# Altium PCB MIRA016-CSP.PcbDoc (continued)
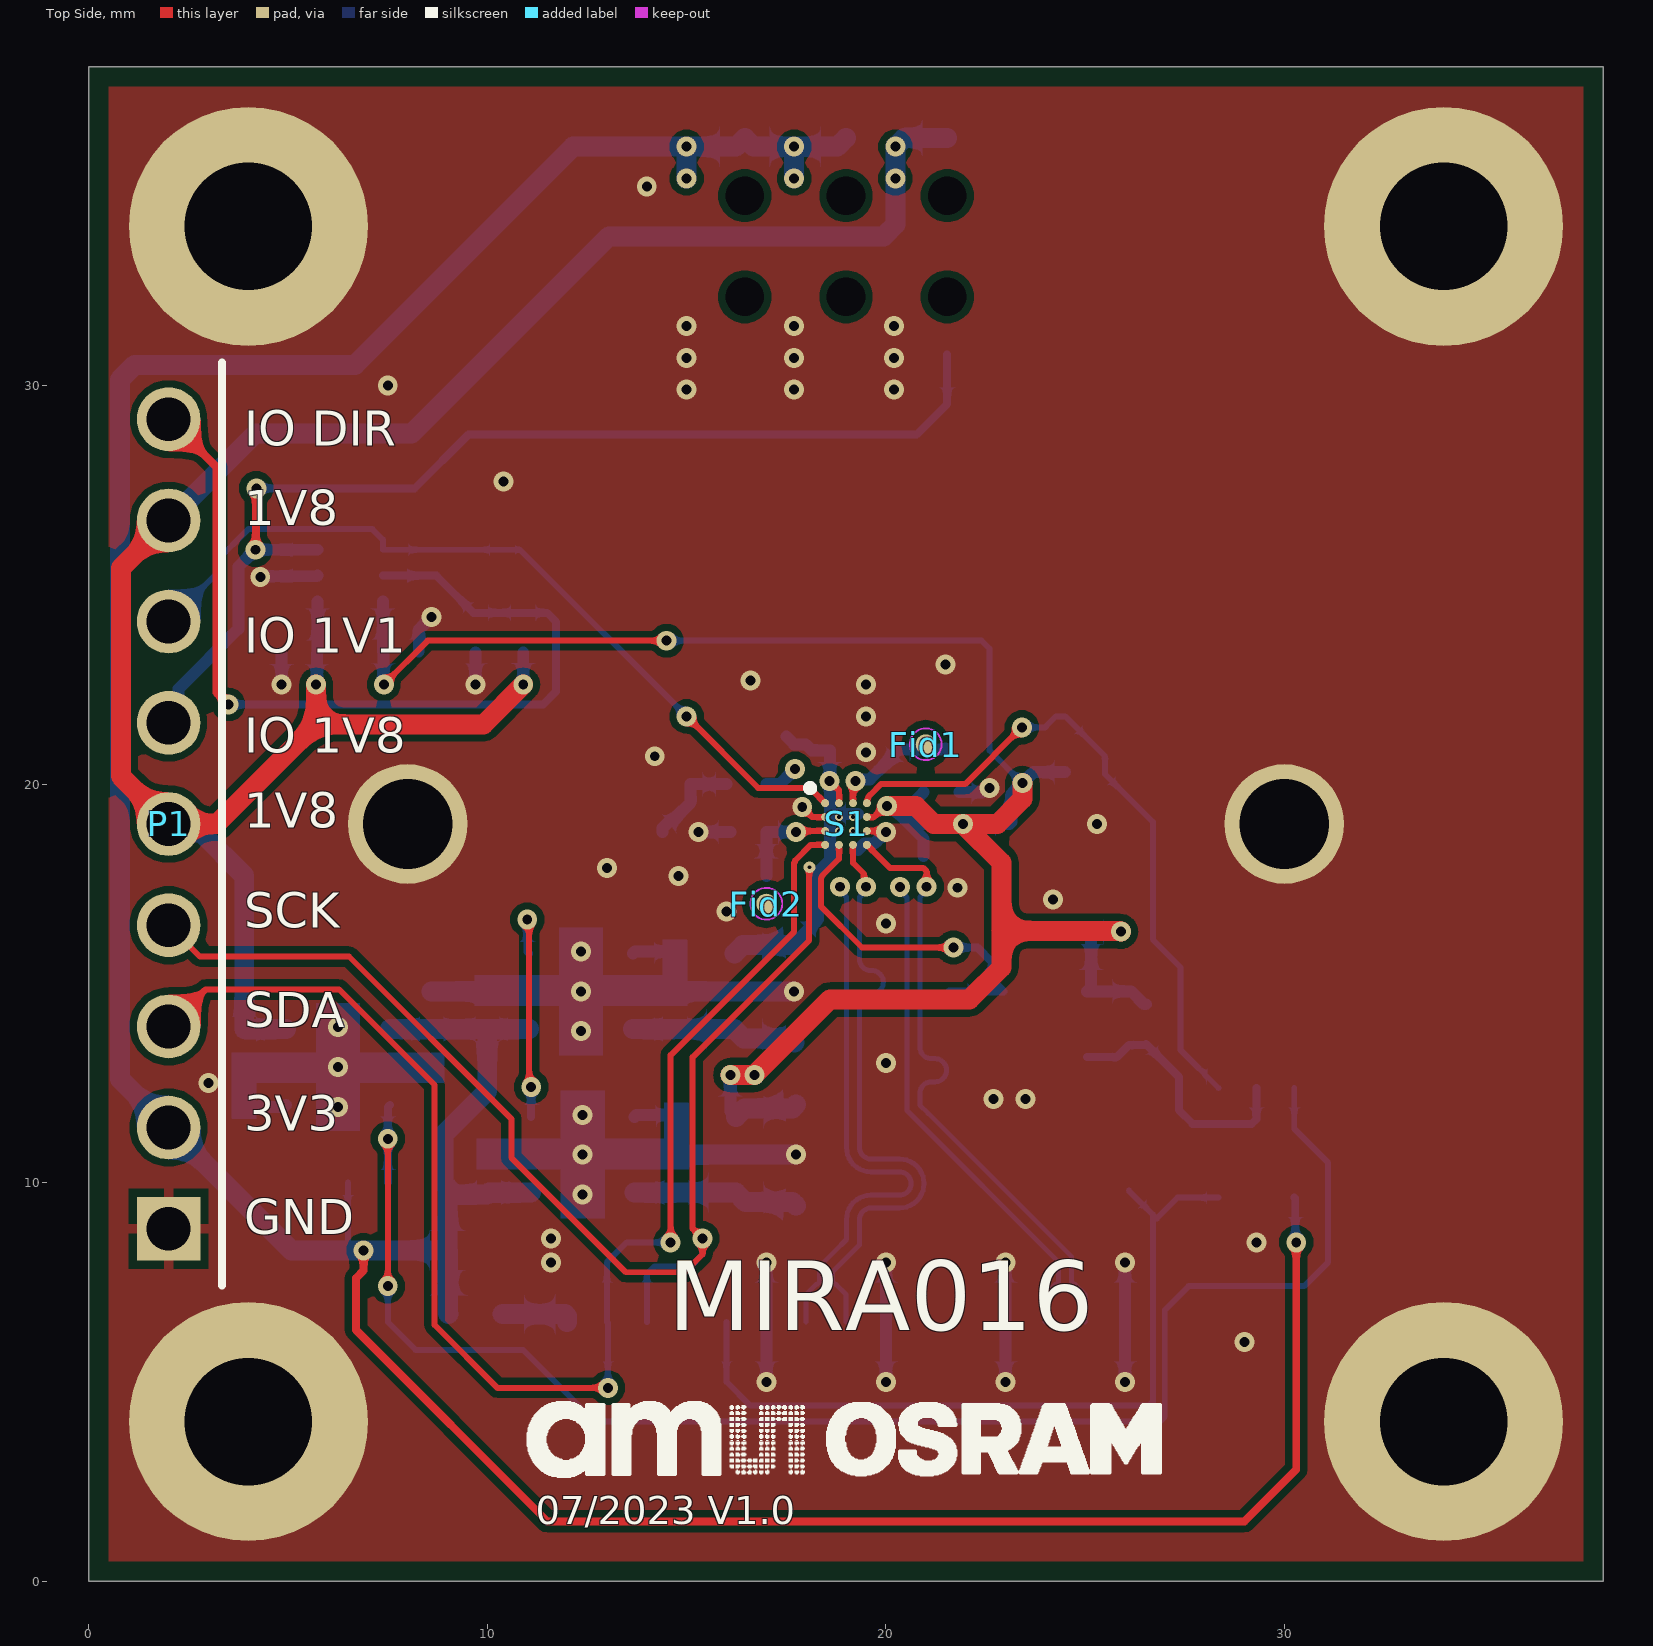
[diagram p0: Top Side view]
## Design rules (kind name [scope] priority, off if disabled: settings)
BoardOutlineClearance [All] p1: gap=0.5 ignorepadtopadclearanceinfootprint=FALSE
Clearance Clearance_1 [InNamedPolygon('GND_L01_P001') Or InNamedPolygon('GND_L02_P002') Or InNamedPolygon('GND_L03_P000') Or InNamedPolygon('GND_L04_P003')] p1: gap=0.175 ignorepadtopadclearanceinfootprint=FALSE
Clearance [All] p2: gap=0.15 ignorepadtopadclearanceinfootprint=FALSE
ComponentClearance [HasFootprint('Fiducial') vs HasFootprint('MIRA220CSP')] p1: gap=0 collisioncheckmode=3 verticalgap=0.254 showdistances=FALSE
ComponentClearance ComponentClearance_1 [All] p2: gap=0.2 collisioncheckmode=3 verticalgap=0.254 showdistances=FALSE
DiffPairsRouting [InDifferentialPairClass('All Differential Pairs')] p1: maxlimit=0.25 minlimit=0.125 mostfreqgap=0.2 toplayer_mingap=0.2 toplayer_maxgap=0.2 toplayer_minwidth=0.15 toplayer_maxwidth=0.15 toplayer_prefwidth=0.15 bottomlayer_mingap=0.2 bottomlayer_maxgap=0.2 bottomlayer_minwidth=0.125 bottomlayer_maxwidth=0.125 bottomlayer_prefwidth=0.125 impedanceprofiledriven=TRUE impedanceprofileid={52C7EDD4-BE39-4F70-933A-33E5E0944ECC} impedanceprofilevalue=100.000000 maxuncoupledlength=12.7
HoleSize [IsVia] p1: absolutevalues=TRUE maxlimit=0.3 minlimit=0.1 maxpercent=80.000 minpercent=20.000
HoleSize HoleSize_1 [All] p2: absolutevalues=TRUE maxlimit=5 minlimit=0.3 maxpercent=80.000 minpercent=20.000
HoleToHoleClearance [All] p1: gap=0.25 allowstackedmicrovias=FALSE
MatchedLengths MatchedLengths_1 [InDifferentialPairClass('All Differential Pairs')] p1: tolerance=1 checknetsindiffpair=FALSE checkdiffpairvsdiffpair=TRUE checkxsignals=TRUE checkothers=TRUE
MatchedLengths [InDifferentialPairClass('All Differential Pairs')] p2: tolerance=0.5 checknetsindiffpair=TRUE checkdiffpairvsdiffpair=FALSE checkxsignals=FALSE checkothers=FALSE
MinimumSolderMaskSliver [All] p1: minsoldermaskwidth=0.075
PasteMaskExpansion PasteMaskExpansion_1 [InComponentClass('NoPaste')] p1: expansion=-2539.975 usepaste=FALSE
PasteMaskExpansion [All] p2: expansion=0
PolygonConnect [All] p1: thpad.connectstyle=Relief thpad.reliefconductorwidth=0.25 thpad.reliefentries=4 thpad.polygonreliefangle="90 Angle" thpad.airgapwidth=0.2 smdpad.connectstyle=Relief smdpad.reliefconductorwidth=0.25 smdpad.reliefentries=4 smdpad.polygonreliefangle="90 Angle" smdpad.airgapwidth=0.2 via.connectstyle=Direct via.reliefconductorwidth=0.25 via.reliefentries=4 via.polygonreliefangle="90 Angle" via.airgapwidth=0.2
RoutingVias RoutingVias_Thru [InDrillLayerPair('Top Side - Bottom Side')] p1: holewidth=0.25 width=0.5 viastyle="Through Hole" minholewidth=0.2 minwidth=0.45 maxholewidth=0.25 maxwidth=0.5
SilkToSilkClearance [All] p1: silktosilkclearance=0.1
SilkToSolderMaskClearance [IsPad] p1: minsilkscreentomaskgap=0.1 clearancetoexposedcopper=TRUE
SolderMaskExpansion SolderMaskExpansion_TentuV [IsMicroVia] p1 off: expansion=0 istentingtop=TRUE
SolderMaskExpansion SolderMaskExpansion_Via [IsVia] p2 off: expansion=-0.05 istentingtop=FALSE
SolderMaskExpansion SolderMaskExpansion_1 [All] p3: expansion=0 istentingtop=FALSE
UnRoutedNet [All] p1: checkbadconnections=TRUE
Width [All] p1: maxlimit=1 minlimit=0.1 preferedwidth=0.15
21 further rules are at their usual default settings.

## Classes and differential pairs
component class NoPaste: C5 C8 C14 C16 C18 R5
differential pair MIPI_D: +MIPI_D_P -MIPI_D_N
differential pair MIPI_CLK: +MIPI_CLK_P -MIPI_CLK_N

## Components (designator, comment, footprint, x,y, rotation, side; value= is the part's Value field where it differs from the comment)
C1 "0402 2.2uF 6.3V ±20%" CAPC0402_N 14.703,14.3 r270 bottom
C2 "0402 2.2uF 6.3V ±20%" CAPC0402_N 9.997,14.3 r270 bottom
C3 "0402 0.1uF 6.3V ±20%" CAPC0402_N 21.4,19.8 r180 bottom
C4 "0402 1.0uF 6.3V ±20%" CAPC0402_N 21.4,18.2 r180 bottom
C5 "NO BOM 0603" CAPC0603_L 23.8,19 r0 bottom
C6 "0402 0.1uF 6.3V ±20%" CAPC0402_N 19.3,18.8 r90 bottom
C7 "0402 1.0uF 6.3V ±20%" CAPC0402_N 18.6,21.3 r270 bottom
C8 "NO BOM 0603" CAPC0603_L 17.5,21.9 r90 bottom
C9 "0402 2.2uF 6.3V ±20%" CAPC0402_N 14.743,10.2 r270 bottom
C10 "0402 2.2uF 6.3V ±20%" CAPC0402_N 10.037,10.2 r270 bottom
C11 "0402 2.2uF 6.3V ±20%" CAPC0402_N 3.897,13.4 r90 bottom
C12 "0402 2.2uF 6.3V ±20%" CAPC0402_N 8.603,13.4 r90 bottom
C13 "0402 1.0uF 6.3V ±20%" CAPC0402_N 20.3,21.3 r270 bottom
C14 "NO BOM 0603" CAPC0603_L 21.5,21.6 r90 bottom
C15 "0402 1.0uF 6.3V ±20%" CAPC0402_N 16.55,18.8 r0 bottom
C16 "NO BOM 0603" CAPC0603_L 16.3,17.7 r180 bottom
C17 "0402 1.0uF 6.3V ±20%" CAPC0402_N 14.65,20 r0 bottom
C18 "NO BOM 0603" CAPC0603_L 13.7,18.8 r180 bottom
C19 "0402 0.1uF 6.3V ±20%" CAPC0402_N 5.287,23.308 r0 bottom
C20 "0402 0.1uF 6.3V ±20%" CAPC0402_N 7.827,23.333 r180 bottom
C21 "22uF 0603 >10V" CAPC0603 9.8,8.3 r0 bottom
C22 "0402 0.1uF 6.3V ±20%" CAPC0402_N 24.701,16.292 r0 bottom
FB1 "BLM18AG601SN1D" FP-BLM18-0_15-t0_8-IPC_B 9.7,6.7 r0 bottom
Fid1 "Fiducial" FIDUCIAL 21,21 r0 top
Fid2 "Fiducial" FIDUCIAL 17,17 r0 top
J1 "1-84952-5" TE_1-84952-5 19,6.5 r180 bottom locked
J2 "HLE-103-02-F-DV-BE" SAMTEC_HLE-103-02-F-DV-BE 19,33.5 r180 bottom
P1 "61300911121" 61300911121 2,19 r90 top
R1 "0" RESC0805_N 16.2,14.8 r270 bottom
R2 "0" RESC0805_N 16.24,10.7 r270 bottom
R3 "0R5" RESC0402_N 16.5,20 r0 bottom
R4 "100K" RESC0402_N 10.377,26.383 r270 bottom value=10K
R5 "0" RESC0402_N 10.9,23.8 r270 bottom
R6 "100K" RESC0402_N 9.7,23.8 r90 bottom value=10K
R7 "10K" RESC0402_N 7,10 r180 bottom
R8 "10K" RESC0402_N 26.528,13.976 r90 bottom
R9 "10K" RESC0402_N 25,20.3 r180 bottom
S1 "Mira016-1QM1WB" MIRA016CSP 19,19 r0 top locked
TP1 "2V8" TP_1MM 17.75,13.52 r0 bottom
TP2 "2V8" TP_1MM 17.75,16.06 r0 bottom
TP3 "1V1" TP_1MM 17.75,9.42 r0 bottom
TP4 "1V1" TP_1MM 17.75,11.96 r0 bottom
TP6 "EN" TP_1MM 26.1,9.8 r90 bottom
TP7 "RSTN" TP_1MM 24.5,21.7 r90 bottom
TP8 "GND" TP_1MM 22.7,16.7 r90 bottom
TP9 "24M" TP_1MM 21.6,14.8 r90 bottom
U1 "LP5907MFX-2.8/NOPB" FP-DBV0005A-MFG 12.35,14.8 r0 bottom
U2 "AP7315Q-11W5-7" FP-DBV0005A-MFG 12.39,10.7 r0 bottom
U3 "LP5907MFX-1.8/NOPB" FP-DBV0005A-MFG 6.25,12.9 r180 bottom
U4 "SN74AXC1T45DCKR" FP-DCK0006A-IPC_B 6.557,25.233 r0 bottom
U5 "LM3880MF-1AA/NOPB" DBV0006A_N 29.3,11 r90 bottom
Y1 "LFSPXO076023REEL" FP-ASE-MFG 24,13.975 r180 bottom

## Footprints (in the part's own frame and the unit in brackets; to place one, negate y for a bottom-side part, rotate by r counter-clockwise, add the part's x,y. Pads: shape width x height; smd on the part's side, far side on the other; paste and mask are expansions set on the pad)
61300911121 [mm] "Pin Header, pitch 2.54 mm, THT, Vertical, single row, 9p"
  rect 1.6x1.6 hole 1.1: 1(-10.16,0)
  round 1.6 hole 1.1: 2(-7.62,0) 3(-5.08,0) 4(-2.54,0) 5(0,0) 6(2.54,0) 7(5.08,0) 8(7.62,0) 9(10.16,0)
  silkscreen extent -11.58,-1.35 11.58,-1.35, body extent -11.43,-1.27 11.43,1.27, height 8.57
CAPC0402_N [mm]
  rect 0.62x0.62 smd: 1(-0.45,0) 2(0.45,0)
  body extent -0.5,-0.25 0.5,0.25, height 0.5
CAPC0603 [mm]
  rect 0.9x1 smd: 1(-0.8,0) 2(0.8,0)
  body extent -0.87,-0.48 0.88,0.47, height 0.55
CAPC0603_L [mm]
  rect 0.7x0.9 smd: 1(-0.7,0) 2(0.7,0)
  body extent -0.87,-0.47 0.88,0.48, height 0.55
DBV0006A_N [mm] "SOT23, 6-Leads, Body 3.05x1.75mm, Pitch 0.95mm, IPC Medium Density"
  rrect17% 1x0.6 smd: 1(-1.375,0.95) 2(-1.375,0) 3(-1.375,-0.95) 4(1.375,-0.95) 5(1.375,0) 6(1.375,0.95)
  silkscreen extent -1.5,-1.55 0.5,1.93, body extent -1.42,-1.46 1.42,1.46, height 1.11
FIDUCIAL [mm]
  round 0.5 smd paste-0.25 mask+0.2: 0(0,0)
  Top Side keep-out circle w0.05: c0,0 r0.4
FP-ASE-MFG [mm]
  rect 1.3x1.1 smd paste+0 mask+0: 1(-1.05,-0.825) 2(1.05,-0.825) 3(1.05,0.825) 4(-1.05,0.825)
  silkscreen extent -1.18,-2.05 -0.93,-1.8, body extent -1.6,-1.25 1.6,1.25, height 1.2
FP-BLM18-0_15-t0_8-IPC_B [mm]
  rect 1.106x0.958 smd paste+0 mask+0: 1(-0.676,0) 2(0.676,0)
  body extent -0.8,-0.4 0.8,0.4, height 0.95
FP-DBV0005A-MFG [mm]
  rrect17% 1.1x0.6 smd paste+0 mask+0: 1(-1.3,0.95) 2(-1.3,0) 3(-1.3,-0.95) 4(1.3,-0.95) 5(1.3,0.95)
  silkscreen extent -1.55,-1.53 0.87,1.85, body extent -1.4,-1.45 1.4,1.45, height 1.45
FP-DCK0006A-IPC_B [mm]
  rect 1.464x0.376 smd paste+0 mask+0: 1(-0.82,0.65)
  rrect100% 1.464x0.376 smd paste+0 mask+0: 2(-0.82,0) 3(-0.82,-0.65) 4(0.82,-0.65) 5(0.82,0) 6(0.82,0.65)
  silkscreen extent -2.25,-1.25 1.05,1.25
MIRA016CSP [mm]
  round 0.2 smd paste+0 mask+0: A1(-0.525,0.525) A2(-0.175,0.525) A3(0.175,0.525) A4(0.525,0.525) B1(-0.525,0.175) B2(-0.175,0.175) B3(0.175,0.175) B4(0.525,0.175) C1(-0.525,-0.175) C2(-0.175,-0.175) C3(0.175,-0.175) C4(0.525,-0.175) D1(-0.525,-0.525) D2(-0.175,-0.525) D3(0.175,-0.525) D4(0.525,-0.525)
  silkscreen extent -0.95,0.85 -0.85,0.95, body extent -0.89,-0.89 0.89,0.89, height 0.55
RESC0402_N [mm]
  rect 0.55x0.65 smd: 1(-0.5,0) 2(0.5,0)
  body extent -0.5,-0.25 0.5,0.25, height 0.36
RESC0805_N [mm] "Chip Resistor, Body 2.0x1.3mm, IPC Medium Density"
  rect 1.05x1.4 smd: 1(-0.95,0) 2(0.95,0)
  body extent -1,-0.62 1,0.63, height 0.61
SAMTEC_HLE-103-02-F-DV-BE [mm]
  rect 1.27x1.68 smd: 01(2.54,-2.72) 02(2.54,2.72) 03(0,-2.72) 04(0,2.72) 05(-2.54,-2.72) 06(-2.54,2.72)
  round 0 hole 0.97 unplated: ""(-2.54,-1.27) ""(-2.54,1.27) ""(0,-1.27) ""(0,1.27) ""(2.54,-1.27) ""(2.54,1.27)
  silkscreen extent -3.81,-4.42 3.81,2.54, body extent -3.81,-3.29 3.81,3.29, height 3.51
TE_1-84952-5 [mm]
  rect 0.61x2 smd: 1(-7,0) 2(-6,0) 3(-5,0) 4(-4,0) 5(-3,0) 6(-2,0) 7(-1,0) 8(0,0) 9(1,0) 10(2,0) 11(3,0) 12(4,0) 13(5,0) 14(6,0) 15(7,0)
  rect 2.68x3.6 smd: S1(-9.99,-2.8) S2(9.99,-2.8)
  silkscreen extent -11.46,-6.4 11.46,0.27, body extent -11.48,-6.45 11.44,0.09, height 2.55
TP_1MM [mm]
  round 1 smd paste-0.5: 1(0,0)

## Part data
C1 C2 C9 C10 C11 C12: library part CAP0201, "0402 2.20uF 6.3V ±20%"
C3 C4 C6 C7 C13 C15 C17 C19 C20 C22: library part CAP0201
C5 C8 C14 C16 C18: library part CAP0201, "spare cap 0603", Case Code (Imperial)=0201, Case/Package=0201
C21: library part CAP0201, "Chip Multilayer Ceramic Capacitors for General Purpose, 0603, 22uF, X5R, 15%, 10%, 25V", Case Code (Imperial)=0201, Case/Package=0201
FB1: library part CMP-0686-00436-3, "Chip Ferrite Bead, 0603, 600Ω @ 100MHz, 0.38Ω, 25%, 500mA", Case Code (Imperial)=0603, Case Code (Metric)=1608, Current Rating=500mA, DC Resistance (DCR)=380mR, Frequency=100MHz, Max Operating Temperature=125°C, Min Operating Temperature=-55°C, Package Quantity=1, Tolerance=25%, Case/Package=0603, Core Material=Ferrite, DC Current=500mA, Depth=0.8mm, Height=0.8mm, Impedance=600R, Lead Free="Lead Free", Length=1.6mm, Material=Steel, Max Current Rating=500mA, Max DC Current=500mA, Military Standard=Not, Number of Circuits=1, Number of Lines=1, Number of Pins=2, Packaging="Tape and Reel", Radiation Hardening=No, REACH SVHC="No SVHC", RoHS Compliant=Yes, Shielding=Unshielded, Termination=SMD/SMT, Test Frequency=100MHz, Weight=7.1E-05oz, Width=0.8mm
Fid1 Fid2: "Alignment feature for PCB Assembly", Part Number=NA, Component=Fiducial, Componenttype=Fiducial
J1: "Conn FPC Connector SKT 15 POS 1mm Solder RA SMD T/R", Part Number=1-84952-5
J2: Package=None, Availability=Unavailable, MF=Samtec, MP=HLE-103-02-F-DV-BE, Price=None
P1: library part CMP-1502-01080-1, "THT Vertical Pin Header WR-PHD, Pitch 2.54 mm, Single Row, 9 pins", Contact Resistance=20mOhm, Manufacturer="Wurth Elektronik", Operating Temperature=-40to105degC, Rated Current=3A, Withstanding Voltage=500VAC, Working Voltage=250VAC, Datasheet URL=https://katalog.we-online.de/em/datasheet/6130xx11121.pdf, Gender=Male, Manufacturer URL=http://www.we-online.de, Mounting Technology=THT, Orientation=Vertical, Package Reference=61300911121, Packaging=Bag, Part Number=61300911121, Pin Number=9, Pitch=2.54mm, Publisher=WurthElektronik, Row Number=Single
R1 R2: library part ERJ2RKF1502X[[/\]]PANASONIC, "Resistor 0R 0805"
R3: library part ERJ2RKF1502X[[/\]]PANASONIC, "Resistor 0R5  0402"
R4 R6: library part ERJ2RKF1502X[[/\]]PANASONIC, "Resistor 100K 0402", Manufacturer=PANASONIC, Part Number=ERJ2RKF1502X, Powerrating=63mW, Supplier Part Number 1=2302754, Tolerance=±1%, Voltagerating=50V, Component=15K_±1%_0402_63mW_ERJ2RKF1502X, Componenttype=Resistor, Supplier 1=Farnell
R5: library part ERJ2RKF1502X[[/\]]PANASONIC, "Resistor 0 0402", Manufacturer=PANASONIC, Part Number=ERJ2RKF1502X, Powerrating=63mW, Supplier Part Number 1=2302754, Tolerance=±1%, Voltagerating=50V, Component=15K_±1%_0402_63mW_ERJ2RKF1502X, Componenttype=Resistor, Supplier 1=Farnell
R7 R8 R9: library part ERJ2RKF1502X[[/\]]PANASONIC, "Resistor 10K 0402", Manufacturer=PANASONIC, Part Number=ERJ2RKF1502X, Powerrating=63mW, Supplier Part Number 1=2302754, Tolerance=±1%, Voltagerating=50V, Component=15K_±1%_0402_63mW_ERJ2RKF1502X, Componenttype=Resistor, Supplier 1=Farnell
S1: library part MIRA016CSP, "MIRA016 CSP"
TP1 TP2 TP3 TP4 TP6 TP7 TP8 TP9: library part 5001, "Test Point, various footprints"
U1 U2 U3: library part LDO-STO23-5, "IC REG LINEAR fixed Voltage, SOT23-5 / SOT-25 / SC74A package", Mount="Surface Mount"
U4: library part CMP-04899-000070-1, "IC TRNSLTR BIDIRECTIONAL SC70-6", Max Operating Temperature=125°C, Min Operating Temperature=-40°C, Channel Type=Bidirectional, Data Rate=500Mbps, Mount="Surface Mount", Number of Bits=1, Number of Circuits=1, Packaging="Tape and Reel", RoHS Compliant=Yes
U5: library part CMP-0063-01015-4, "Power Sequencer, 6-pin SOT-23, Pb-Free, 1000 Reel", Part Number=LM3880MF-1AA/NOPB
Y1: library part CMP-2000-05795-3, Case/Package=SMD/SMT, Frequency=24MHz, Frequency Stability=50ppm, Manufacturer=IQD, Max Operating Temperature=85°C, Max Supply Current=10mA, Min Operating Temperature=-40°C, Supplier Part Number 1=449-LFSPXO076023REEL, Category=Oscillators, ComponentLink1Description=https://www.iqdfrequencyproducts.com/products/pn/LFSPXO076023Reel.pdf?src-supplier=Digi-Key, ComponentLink1URL=https://www.iqdfrequencyproducts.com/products/pn/LFSPXO076023Reel.pdf?src-supplier=Digi-Key, Manufacturer Part Number=LFSPXO076023REEL, Mounting Technology="Surface Mount", Packaging="Cut Tape", Pricing 1="1=2.69000, 10=2.51000, 50=2.51000, 100=2.19000, 1000=1.82000, 10000=1.82000 (USD)", RoHS=Yes, RoHS Compliant=No, Stock 1=2945, Supplier 1=Mouser

## Free pads (board coordinates)
  round 6 hole 3.2 paste-2539.97: M(4,4) M(4,34) M(34,4) M(34,34)
  round 3 / inner round 3 / far side round 5 hole 2.25 paste-2539.97: M(8,19) M(30,19)

## Via types
v1: diameter 0.5, hole 0.25, Top Side to Bottom Side, 99 vias
v2: diameter 0.2, hole 0.1, Top Side to Inner Layer 1, 4 vias
v3: diameter 0.3, hole 0.1, Top Side to Inner Layer 1, 1 vias

## Nets (pads, with @x,y where several pads share a name; then routed paths per layer and width w, separated by ;. In a path a pad name is that pad's centre, name@x,y a point inside that pad or via, vN(x,y) a via of type N, cw(c..) or ccw(c..) an arc to the next point about the centre after c; other vN are vias at no path point)
CAM_ENABLE: J1.11 TP6.1 U5.3 | length 19.9
  Bottom Side w0.15: J1.11 16,5 16.6,4.4 26.6,4.4 26.7,4.5 26.7,9.2 ; TP6.1 26.7,9.2 ; U5.3 27.325,9.625 26.8,9.1 26.7,9.2
CLK_IN: S1.D2 TP9.1 Y1.3 | length 8.8
  Top Side w0.15: S1.D2 18.825,18.125 18.419,17.719 ccw(c18.525,17.613) 18.375,17.613 18.375,16.925 19.4,15.9 v1(21.7,15.9)
  Bottom Side w0.2: TP9.1 Y1.3 22.667,15.083 22.667,15.533 22.3,15.9 v1(21.7,15.9)
EN_ALL_LDO: R7.1 U1.3 U2.3 U3.3 U5.6 | length 49.2
  Top Side w0.15: v1(7.5,7.4) v1(7.5,11.1) ; v1(11,16.6) 11.05,16.55 11.05,12.45 v1(11.1,12.4)
  Inner Layer 1 w0.2: v1(7.5,11.1) 9.8,11.1 v1(11.1,12.4)
  Bottom Side w0.15: v1(7.5,7.4) 7.5,6.5 8.2,5.8 10.9,5.8 12.7,4 26.875,4 27,4.125 27,6.8 27.6,7.4 30.5,7.4 31.1,8 31.1,10.5 30.25,11.35 U5.6
  Bottom Side w0.2: R7.1 v1(7.5,11.1) 7.5,11.9 U3.3 ; v1(11,16.6) 11,15.8 U1.3 ; U2.3 11.1,11.66 v1(11.1,12.4)
EN_CLK: R8.1 U5.5 Y1.1 | length 6.5
  Bottom Side w0.2: Y1.1 25.8,13.15 26.103,13.453 26.505,13.453 R8.1 27.357,12.647 27.357,11.818 27.7,11.475 29.183,11.475 29.3,11.592 U5.5
GND: C1.1 C2.1 C3.1 C4.1 C5.2 C6.1 C7.1 C8.2 C9.1 C10.1 C11.1 C12.1 C13.1 C14.2 C15.1 C16.2 C17.1 C18.2 C19.1 C20.1 C21.2 C22.1 J1.1 J1.4 J1.7 J1.10 J1.S1 J1.S2 J2.01 J2.03 P1.1 pad.M R4.1 R6.1 S1.B1 S1.C4 TP8.1 U1.2 U1.4 U2.2 U2.4 U3.2 U3.4 U4.2 U5.2 Y1.2 | length 39.7
  Top Side w0.15: v1(17.902,19.427) 18.153,19.175 S1.B1 ; S1.C4 19.975,18.825 v1(20,18.8)
  Bottom Side w0.3: 3.9,11.9 4.9,11.9 U3.4 ; v1(4.3,25.2) 4.318,25.218 5.722,25.218 U4.2 ; v1(4.837,22.5) C19.1 ; C20.1 8.277,23.877 v1(8.6,24.2) ; v1(9.7,22.5) R6.1 ; U1.4 13.7,15.8 14.7,15.8 ; U2.4 13.74,11.7 14.74,11.7 ; v1(15.3,18.8) C15.1 ; v1(17,5) J1.10 v1(17,8) ; C6.1 19.46,18.51 19.709,18.51 v1(20,18.8) ; v1(20,5) J1.7 v1(20,8) ; C3.1 22.446,19.8 22.546,19.9 v1(22.6,19.9) ; v1(23,5) J1.4 v1(23,8) ; v1(26,5) J1.1 v1(26,8)
  Bottom Side w0.5: 8.6,14.8 U1.2 v1(12.35,14.8) v1(17.7,14.8) ; C10.1 10.087,10.7 U2.2 v1(12.39,10.7) 14.743,10.7 v1(17.74,10.7)
  other v1: 29,6 11.6,8 29.3,8.5 11.6,8.6 12.39,9.7 12.39,11.7 6.25,11.9 22.7,12.1 23.5,12.1 3,12.5 6.25,12.9 20,13 12.35,13.8 6.25,13.9 12.35,15.8 20,16.5 16,16.8 24.2,17.1 21.8,17.4 14.8,17.7 13,17.9 25.3,19 14.2,20.7 19.5,20.8 19.5,21.7 19.5,22.5 16.6,22.6 21.5,23 10.4,27.6 15,29.9 17.7,29.9 20.2,29.9 7.5,30 15,30.7 17.7,30.7 20.2,30.7 15,31.5 17.7,31.5 20.2,31.5 14,35
MIPI_CLK_N: J1.8 S1.D3 | length 15.8
  Top Side w0.15: S1.D3 19.175,18.025 19.452,17.748 19.452,17.473 v1(19.5,17.425)
  Bottom Side w0.125: J1.8 19,7.195 18.757,7.437 18.736,7.437 18.662,7.511 18.662,7.762 19.175,8.275 19.337,8.438 19.337,9.07 cw(c19.629,9.07) 19.629,9.361 20.341,9.361 ccw(c20.341,9.977) 20.957,9.977 ccw(c20.341,9.977) 20.341,10.593 19.629,10.593 cw(c19.629,10.884) 19.337,10.884 19.337,11.109 19.338,13.804 19.338,14.449 cw(c19.629,14.449) 19.629,14.74 19.646,14.74 ccw(c19.646,15.031) 19.937,15.031 ccw(c19.646,15.031) 19.646,15.322 19.629,15.322 cw(c19.629,15.613) 19.338,15.613 19.338,17.164 19.5,17.327 19.5,17.401 v1(19.5,17.425)
MIPI_CLK_P: J1.9 S1.C3 | length 15.4
  Inner Layer 1 w0.15: v1(18.85,17.425) 18.85,17.447 19.175,17.772 v2(19.175,18.825)
  Bottom Side w0.125: J1.9 18,7.195 18.242,7.437 18.264,7.437 18.337,7.511 18.337,7.897 18.715,8.275 19.012,8.572 19.012,9.07 cw(c19.629,9.07) 19.629,9.686 20.341,9.686 ccw(c20.341,9.977) 20.632,9.977 ccw(c20.341,9.977) 20.341,10.268 19.629,10.268 cw(c19.629,10.884) 19.012,10.884 19.012,11.109 19.012,17.164 18.85,17.327 v1(18.85,17.425)
MIPI_D_N: J1.2 S1.D4 | length 15.7
  Top Side w0.15: S1.D4 20.1,17.9 20.937,17.9 21.025,17.812 v1(21.025,17.425)
  Bottom Side w0.125: v1(21.025,17.425) 21.025,17.335 20.855,17.164 20.855,16.822 20.855,13.402 ccw(c21.146,13.402) 21.146,13.111 21.233,13.111 cw(c21.233,12.82) 21.524,12.82 cw(c21.233,12.82) 21.233,12.529 21.146,12.529 ccw(c21.146,12.238) 20.855,12.238 20.855,11.945 21.062,11.738 24.662,8.138 24.662,7.511 24.736,7.437 24.757,7.437 25,7.195 J1.2
MIPI_D_P: J1.3 S1.B3 | length 15
  Inner Layer 1 w0.15: v2(19.175,19.175) 19.185,19.165 19.294,19.165 19.525,18.935 19.525,18.253 v1(20.359,17.418)
  Bottom Side w0.125: v1(20.359,17.418) 20.359,17.328 20.53,17.158 20.53,11.811 24.337,8.003 24.337,7.511 24.264,7.437 24.242,7.437 24,7.195 J1.3
MIRA016_IO_1V1: P1.7 R4.2 S1.A1 U4.4 | length 20.6
  Top Side w0.15: v1(15,21.7) 16.792,19.908 18.092,19.908 S1.A1
  Bottom Side w0.15: P1.7 3.189,25.269 3.189,25.589 4,26.4 7.112,26.4 7.377,26.135 U4.4 R4.2 10.817,25.883 v1(15,21.7)
MIRA016_IO_1V8: J2.05 P1.6 U4.3 | length 27.8
  Top Side w0.2: v1(4.176,25.883) 4.188,25.895 4.188,27.413 v1(4.2,27.425)
  Bottom Side w0.2: v1(4.2,27.425) 8.175,27.425 9.525,28.775 20.775,28.775 21.54,29.54 J2.05
  Bottom Side w0.3: P1.6 2.249,21.789 2.249,22.395 3.75,23.896 3.75,25.457 v1(4.176,25.883) U4.3
RST_N: R9.1 S1.A4 TP7.1 U5.4 | length 16.9
  Top Side w0.15: S1.A4 cw(c19.827,19.525) 19.613,19.738 19.875,20 21.99,20 v1(23.415,21.425)
  Bottom Side w0.15: v1(23.415,21.425) 23.995,21.425 24.27,21.7 TP7.1 25.5,20.7 R9.1 25.5,20.25 26.7,19.05 26.7,16.1 27.4,15.4 27.4,13.325 U5.4
SCK: J1.13 P1.4 S1.C2 | length 33.5
  Top Side w0.15: P1.4 2.785,15.675 6.525,15.675 10.6,11.6 10.6,10.625 13.475,7.75 14.95,7.75 15.4,8.2 v1(15.4,8.6) 15.15,8.85 15.15,13.15 18.075,16.075 18.075,17.904 v3(18.085,17.915)
  Inner Layer 1 w0.15: v3(18.085,17.915) 18.49,17.915 18.825,18.25 v2(18.825,18.825)
  Bottom Side w0.15: J1.13 14,7.7 14.2,7.9 15.1,7.9 15.4,8.2 v1(15.4,8.6)
SDA: J1.14 P1.3 S1.D1 | length 35.8
  Top Side w0.15: P1.3 2.93,14.85 6.275,14.85 8.675,12.45 8.675,6.425 10.25,4.85 v1(13.025,4.85) ; v1(14.6,8.5) 14.6,13.2 17.7,16.3 17.7,18.024 17.725,18.049 17.725,18.085 18.115,18.475 S1.D1
  Bottom Side w0.15: v1(13.025,4.85) 13.025,6.475 J1.14 13,8 13.5,8.5 v1(14.6,8.5)
SN74_DIR: P1.9 R5.1 R6.2 U4.5 | length 22.7
  Top Side w0.2: P1.9 3.2,27.96 3.2,22.3 v1(3.5,22)
  Bottom Side w0.2: v1(3.5,22) 11.4,22 11.725,22.325 11.725,24.075 11.5,24.3 R5.1 R6.2 9.65,24.3 8.717,25.233 U4.5
VDD11: C3.2 C4.2 C5.1 C20.2 C22.2 R2.1 R8.2 R9.2 S1.B4 TP4.1 U4.6 Y1.4 | length 56.1
  Top Side w0.15: v1(7.4,22.5) 8.5,23.6 v1(14.5,23.6) ; S1.B4 19.703,19.175 19.978,19.45 v1(20.025,19.45)
  Top Side w0.5: v1(16.1,12.7) v1(16.7,12.7) 18.6,14.6 22.1,14.6 22.9,15.4 22.9,16.318 ; v1(20.025,19.45) 20.753,19.45 21.203,19 v1(21.931,19) ; v1(23.425,20.025) 23.425,19.625 22.8,19 v1(21.931,19) ; v1(25.9,16.3) 25.882,16.318 22.9,16.318 ; v1(21.931,19) 22.9,18.031 22.9,16.318
  Bottom Side w0.15: v1(14.5,23.6) 22.4,23.6 22.6,23.4 22.6,20.85 v1(23.425,20.025)
  Bottom Side w0.3: U4.6 C20.2 7.388,23.321 7.388,22.512 v1(7.4,22.5) ; v1(16.1,12.7) 16.1,11.79 R2.1 ; v1@20.22,19.358 20.95,18.628 C4.2 ; C3.2 20.6,19.45 20.312,19.45 20.762,19 v1(21.931,19) C5.1 23.15,19.05 23.15,19.75 v1(23.425,20.025) 23.7,20.3 R9.2 ; v1(25.9,16.3) 25.896,16.296 25.155,16.296 C22.2 25.151,14.901 Y1.4 26.154,14.8 26.478,14.476 R8.2
  Bottom Side w0.5: v1(16.1,12.7) v1(16.7,12.7) ; R2.1 16.454,11.864 17.654,11.864 TP4.1
VDD18: C11.2 C19.2 J2.06 P1.5 P1.8 R5.2 U3.5 U4.1 | length 54.9
  Top Side w0.5: P1.8 0.8,25.42 0.8,20.2 P1.5 3.2,19 5.7,21.5 ; v1(5.7,22.5) 5.7,21.5 ; v1(10.9,22.5) 9.9,21.5 5.7,21.5
  Bottom Side w0.3: v1(5.7,22.5) 5.718,22.518 5.718,23.29 C19.2 U4.1 ; v1(10.9,22.5) R5.2
  Bottom Side w0.5: P1.5 2.21,18.79 2.81,18.79 3.897,17.703 C11.2 U3.5 ; P1.8 4.18,28.8 8.1,28.8 13.05,33.75 19.947,33.75 20.24,34.043 v1(20.24,35.2) v1(20.24,36) 20.46,36.22 J2.06
VDD28: C6.2 C7.2 C8.1 R1.1 S1.A2 TP2.1 | length 9.2
  Top Side w0.15: v1(18.588,20.083) 18.825,19.847 S1.A2
  Bottom Side w0.3: C8.1 17.7,21 17.99,21 18.14,20.85 C7.2 18.594,20.844 18.594,20.089 v1(18.588,20.083) 18.6,20.072 18.6,18.1 18.3,17.8 18.3,16.61 TP2.1 ; 18.7,19.25 C6.2
  Bottom Side w0.5: R1.1 16.414,15.964 TP2.1@17.614,15.964
VDD33: C2.2 C10.2 C12.2 C21.1 FB1.1 J2.02 J2.04 P1.2 R7.2 U1.1 U2.1 U3.1 U5.1 | length 100.2
  Top Side w0.2: v1(6.891,8.3) 6.891,7.793 6.7,7.601 6.7,6.3 11.5,1.5 29,1.5 30.3,2.8 v1(30.3,8.5)
  Bottom Side w0.15: 6.463,8.3 6.5,8.337 R7.2
  Bottom Side w0.2: U5.1 30.275,9.6 30.275,8.525 v1(30.3,8.5)
  Bottom Side w0.5: U3.1 C12.2 C2.2 ; FB1.1 9.012,6.712 9.012,8.288 C21.1 ; U1.1 C2.2 ; U2.1 C10.2 9.987,9.7 9.193,9.7 9,9.893 ; v1(15,35.2) v1(15,36) ; v1(17.7,35.2) v1(17.7,36) ; J2.04 18.78,36 v1(17.7,36) ; C21.1 9,9.893 ; C21.1 v1(6.891,8.3) 6.463,8.3 5.08,8.3 P1.2 0.775,12.605 0.775,30.15 1.15,30.525 6.675,30.525 12.15,36 v1(15,36) ; 9,9.893 8.9,9.993 8.9,11.2 9.997,12.297 C2.2 ; v1(15,36) 16.24,36 J2.02 16.68,36 v1(17.7,36)
VDD33_CON: FB1.2 J1.15 | length 1.8
  Bottom Side w0.5: FB1.2 11.945,6.7 12,6.645 J1.15
VDDANA: C13.2 C14.1 S1.A3 | length 3.2
  Top Side w0.15: S1.A3 19.175,20.017 v1(19.238,20.081)
  Bottom Side w0.3: v1(19.238,20.081) 19.277,20.119 19.597,20.119 20.05,20.572 20.05,20.6 C13.2 20.325,20.875 21.475,20.875 C14.1
VOUT11: C9.2 R2.2 TP3.1 U2.5 | length 4.2
  Bottom Side w0.5: U2.5 C9.2 R2.2 16.474,9.516 17.654,9.516 TP3.1
VOUT28: C1.2 R1.2 TP1.1 U1.5 | length 4.2
  Bottom Side w0.5: U1.5 C1.2 R1.2 16.434,13.616 17.614,13.616 TP1.1@17.71,13.52
VSSPC: R3.2 S1.B2 | length 2.5
  Inner Layer 1 w0.15: v1(17.725,20.383) 17.792,20.316 17.792,20.208 v2(18.825,19.175)
  Bottom Side w0.3: R3.2 17.342,20 v1(17.725,20.383)
VSSPC_RC: C17.2 C18.1 R3.1 | length 2.4
  Bottom Side w0.3: C18.1 14.4,18.9 14.6,19.1 14.66,19.1 15.1,19.54 C17.2 R3.1
VTXL: C15.2 C16.1 S1.C1 | length 2.6
  Top Side w0.15: v1(17.743,18.796) 17.771,18.825 S1.C1
  Bottom Side w0.3: C16.1 C15.2 C15.2 17.741,18.798 v1(17.743,18.796)
pads on no net: Fid1.0 Fid2.0 J1.5 J1.6 J1.12 J2.

## Polygon pours and split planes (outlines as drawn)
GND on Inner Layer 2 "GND_L03_P000" (solid, remove dead copper, pour order 0): 37.5,0.5 0.5,0.5 0.5,37.5 37.5,37.5
GND on Top Side "GND_L01_P001" (solid, remove dead copper, pour order 1): 37.5,0.5 0.5,0.5 0.5,37.5 37.5,37.5
GND on Inner Layer 1 "GND_L02_P002" (solid, remove dead copper, pour order 2): 37.5,0.5 0.5,0.5 0.5,37.5 37.5,37.5
GND on Bottom Side "GND_L04_P003" (solid, remove dead copper, pour order 3): 37.5,0.5 0.5,0.5 0.5,37.5 37.5,37.5

## Other copper
Top Side:
  pour cut-out: 20,18 20,20 18,20 18,18
Bottom Side:
  pour cut-out: 14.743,12.3 10.911,12.3 10.896,9.207 14.743,9.199
  pour cut-out: 3.897,11.3 9.195,11.3 9.21,14.39 3.897,14.401
  pour cut-out: 14.703,16.4 9.497,16.4 9.482,13.31 14.703,13.299
  region net GND: 6.8,14.5 5.7,14.5 5.7,11.3 6.8,11.3
  region net GND: 8.913,13.26 3.587,13.26 3.587,11.613 3.6,11.6 4.2,11.6 4.2,12.5 8.913,12.5
  region net GND: 11.8,13.2 12.9,13.2 12.9,16.4 11.8,16.4
  region net GND: 9.687,14.44 15.013,14.44 15.013,16.087 15,16.1 14.4,16.1 14.4,15.2 9.687,15.2
  region net GND: 11.84,9.1 12.94,9.1 12.94,12.3 11.84,12.3
  region net GND: 9.727,10.34 15.053,10.34 15.053,11.987 15.04,12 14.44,12 14.44,11.1 9.727,11.1

## Silkscreen, mask and mechanical layers (free items; w line width, h text height)
Top Overlay:
  drawing of 1425 lines, arcs and shapes, not listed
  text "IO DIR" at 3.9,28.204 h1.5
  text "1V8" at 3.9,26.212 h1.5
  text "IO 1V1" at 3.9,23.004 h1.5
  text "IO 1V8" at 3.9,20.497 h1.5
  text "1V8" at 3.9,18.612 h1.5
  text "SCK" at 3.9,16.112 h1.5
  text "SDA" at 3.9,13.612 h1.5
  text "3V3" at 3.9,11.012 h1.5
  text "GND" at 3.9,8.412 h1.5
  text "MIRA016" at 14.544,5.723 h3
  text "07/2023 V1.0" at 11.211,1.184 h1.2
Board:
  the board outline again, w0.254
Assembly Notes:
  lines w0.05: 16.895,21.084 17.9,20.4
  lines w0.2: 5.744,18.959 ccw(c8.206,18.959) 6.465,17.218 ccw(c7.753,18.506) 7.623,16.689 8.946,16.689 8.946,10.288 ; 5.744,18.959 cw(c8.26,18.959) 6.481,20.739 cw(c7.769,19.451) 7.639,21.267 ; 7.64,21.269 8.964,21.269 8.964,27.67 ; 8.958,10.277 ccw(c10.288,10.288) 10.307,8.958 27.653,9 ; 8.976,27.681 cw(c10.305,27.67) 10.325,29 27.675,29.039 ; 27.675,9 ccw(c27.695,10.33) 29.024,10.319 ; 27.693,29.042 cw(c27.712,27.712) 29.042,27.723 ; 29.036,10.33 29.036,16.731 30.36,16.731 ; 29.054,27.712 29.054,21.311 30.377,21.311 cw(c30.247,19.494) 31.535,20.782 cw(c29.794,19.041) 32.256,19.041 ; 30.361,16.733 ccw(c30.231,18.549) 31.519,17.261 ccw(c29.74,19.041) 32.256,19.041 ; 10.5,10.5 10.5,27.5 27.5,27.5 27.5,10.5 10.5,10.5
  text "CSP/DIE AMS Logo" at 10.845,21.225 h0.75
Fab Notes:
  drawing of 283 lines, arcs and shapes, not listed
  text "SPECIFICATIONS" at 92.757,128.823 h3.2
  text "Layer" at -17.828,118.8 h1.2
  text "Name" at -9.729,118.8 h1.2
  text "Material" at 8.766,118.8 h1.2
  text "Thickness" at 23.062,118.8 h1.2
  text "Board Layer Stack" at 35.958,118.8 h1.2
  text "Top Overlay" at -9.729,116.4 h1.2
  text "Top Solder" at -9.729,114 h1.2
  text "WE-SM-0001" at 8.766,114 h1.2
  text "0,015mm" at 23.062,114 h1.2
  text "1" at -17.828,111.6 h1.2
  text "Top Side" at -9.729,111.6 h1.2
  text "WE-ED-0008" at 8.766,111.6 h1.2
  text "0,030mm" at 23.062,111.6 h1.2
  text "Dielectric 1" at -9.729,109.2 h1.2
  text "WE-PP-0003" at 8.766,109.2 h1.2
  text "0,065mm" at 23.062,109.2 h1.2
  text "2" at -17.828,106.8 h1.2
  text "Inner Layer 1" at -9.729,106.8 h1.2
  text "WE-ED-0004" at 8.766,106.8 h1.2
  text "0,035mm" at 23.062,106.8 h1.2
  text "Core 1" at -9.729,104.4 h1.2
  text "WE-CO-0017" at 8.766,104.4 h1.2
  text "0,930mm" at 23.062,104.4 h1.2
  text "3" at -17.828,102 h1.2
  text "Inner Layer 2" at -9.729,102 h1.2
  text "WE-ED-0004" at 8.766,102 h1.2
  text "0,035mm" at 23.062,102 h1.2
  text "Dielectric 2" at -9.729,99.6 h1.2
  text "WE-PP-0003" at 8.766,99.6 h1.2
  text "0,065mm" at 23.062,99.6 h1.2
  text "4" at -17.828,97.2 h1.2
  text "Bottom Side" at -9.729,97.2 h1.2
  text "WE-ED-0008" at 8.766,97.2 h1.2
  text "0,030mm" at 23.062,97.2 h1.2
  text "Bottom Solder" at -9.729,94.8 h1.2
  text "WE-SM-0001" at 8.766,94.8 h1.2
  text "0,015mm" at 23.062,94.8 h1.2
  text "Bottom Overlay" at -9.729,92.4 h1.2
  text "Total board thickness:" at -17.828,90 h1.2
  text "1,220mm" at 23.062,90 h1.2
  text "# FINISHED BOARD TOTAL THICKNESS IS  1.2MM (1.0 to 1.6 acceptable) /  / #stackup based on / Würth HDI4_1-2-1_1,22_35_V2.12 / https://www.we-online.com/files/pdf1/hdi4_1-2-1_122_35_v2.12.pdf / # outer copper thickness 17u acceptable for small BGA pads /  /  / # ATTENTION 0.35mm BGA on TOP / # board manufacturer may adjust pad size and solder mask, as long as solder mask remains between pads /  /  /  / # MATCHED IMPEDANCE: / 100R  +/- 20% DIFF IMPEDANCE, tracks on bottom layer /  /  / # SILKSCREEN COLOR: WHITE (Yellow acceptable) / # SOLDER MASK COLOR: BLACK / DARK BLUE (do not sacrifice solder mask precision for color, feedback if needed) / # BOARD FINISH: ENIG / ENEPIG" at 92.7,67.541 h3
Top Assembly:
  lines w0.05: 16.85,21.1 17.855,20.416
  text "CSP/DIE AMS Logo" at 10.8,21.241 h0.75
Sheet:
  drawing of 198 lines, arcs and shapes, not listed
  text "1" at -9.54,157.649 h6
  text "2" at 35.461,157.649 h6
  text "3" at 80.461,157.649 h6
  text "4" at 125.461,157.649 h6
  text "5" at 170.461,157.649 h6
  text "6" at 215.461,157.649 h6
  text "A" at -29.806,139.899 h6
  text "A" at 242.194,139.899 h6
  text "B" at -29.806,93.149 h6
  text "B" at 242.194,93.149 h6
  text "C" at -29.92,43.149 h6
  text "D" at -29.92,-6.851 h6
  text "D" at 242.08,-6.851 h6
  text "Drawn" at 132.14,-9.5 h3.2
  text "Checked" at 169.14,-9.5 h3.2
  text "Drawing No." at 192.161,-9.5 h3.2
  text "mkoc" at 134.14,-13.5 h4
  text "Title, Comments" at 132.14,-18.5 h3.2
  text "Project" at 192.14,-18.5 h3.2
  text "MIRA016 CSP" at 134.14,-22.5 h4
  text "MIRA016" at 194.14,-22.5 h4
  text "Reference Design / early sample" at 134.14,-26.5 h3.8
  text "Borsbeeksebrug 36 | 2600 Antwerpen | Belgium" at 79.5,-27.5 h3
  text "Rev." at 192.14,-27.5 h3.2
  text "Date" at 201.14,-27.5 h3.2
  text "size" at 229.671,-27.5 h2
  text "A4" at 234.14,-27.5 h3.2
  text "ams-osram.com" at 79.5,-30.5 h3
  text "1.0" at 192.5,-31.5 h4
  text "19-Jul-2023" at 203.14,-31.5 h4
  text "scale" at 229.671,-32 h2
  text "1:1" at 234.14,-32.5 h3.2
  text "mm 0" at 134.765,-36.5 h3
  text "50" at 188.298,-36.506 h3
  text "100" at 237.14,-36.5 h3
  text "1" at -9.54,-37.5 h6
  text "2" at 35.461,-37.5 h6
  text "3" at 80.461,-37.5 h6
  text "4" at 125.461,-37.5 h6
Top Component Center:
  lines w0.1: 18.5,19 19.5,19 ; 19,18.5 19,19.5
Drill Drawing:
  circle w0.15: c-18.468,139.206 r0.556
  lines w0.15: -19.024,133.928 -18.746,133.928 -18.746,133.65 -18.191,133.65 -18.191,133.928 -17.913,133.928 -17.913,134.483 -18.191,134.483 -18.191,134.761 -18.746,134.761 -18.746,134.483 -19.024,134.483 -19.024,133.928 ; -19.024,136.15 -19.024,136.428 -18.746,136.706 -19.024,136.983 -19.024,137.261 -18.746,137.261 -18.468,136.983 -18.191,137.261 -17.913,137.261 -17.913,136.983 -18.191,136.706 -17.913,136.428 -17.913,136.15 -18.191,136.15 -18.468,136.428 -18.746,136.15 -19.024,136.15 ; -19.024,142.261 -17.913,142.261 -18.468,141.15 -19.024,142.261 ; -19.024,143.65 -18.468,143.928 -17.913,143.65 -18.191,144.206 -17.913,144.761 -18.468,144.483 -19.024,144.761 -18.746,144.206 -19.024,143.65 ; -19.024,146.428 -18.746,146.428 -18.468,146.15 -18.191,146.428 -17.913,146.428 -18.191,146.706 -17.913,146.983 -18.191,146.983 -18.468,147.261 -18.746,146.983 -19.024,146.983 -18.746,146.706 -19.024,146.428
  lines w0.381: -20.015,132.9 85.636,132.9 ; -20.015,147.9 85.636,147.9 ; -10.887,130.4 -10.887,150.4 ; -1.09,130.4 -1.09,150.4 ; 10.887,130.4 10.887,150.4 ; 19.265,130.4 19.265,150.4 ; 31.441,130.4 31.441,150.4 ; 62.732,130.4 62.732,150.4 ; 72.509,130.4 72.509,150.4 ; -20.015,130.4 85.636,130.4 85.636,150.4 -20.015,150.4 -20.015,130.4
  text "Symbol" at -18.515,148.65 h1.2
  text "Count" at -10.137,148.65 h1.2
  text "Hole Size" at -0.34,148.65 h1.2
  text "Plated" at 11.637,148.65 h1.2
  text "Hole Type" at 20.015,148.65 h1.2
  text "Drill Layer Pair" at 32.191,148.65 h1.2
  text "Via/Pad" at 63.482,148.65 h1.2
  text "Pad Shape" at 73.259,148.65 h1.2
  text "5" at -10.137,146.15 h1
  text "0,100mm" at -0.34,146.15 h1
  text "PTH" at 11.637,146.15 h1
  text "Round" at 20.015,146.15 h1
  text "[uVia] Top Side - Inner Layer 1" at 32.191,146.15 h1
  text "Via" at 63.482,146.15 h1
  text "Rounded" at 73.259,146.15 h1
  text "99" at -10.137,143.65 h1
  text "0,250mm" at -0.34,143.65 h1
  text "PTH" at 11.637,143.65 h1
  text "Round" at 20.015,143.65 h1
  text "Top Side - Bottom Side" at 32.191,143.65 h1
  text "Via" at 63.482,143.65 h1
  text "Rounded" at 73.259,143.65 h1
  text "6" at -10.137,141.15 h1
  text "0,970mm" at -0.34,141.15 h1
  text "NPTH" at 11.637,141.15 h1
  text "Round" at 20.015,141.15 h1
  text "Top Side - Bottom Side" at 32.191,141.15 h1
  text "Pad" at 63.482,141.15 h1
  text "Rounded" at 73.259,141.15 h1
  text "9" at -10.137,138.65 h1
  text "1,100mm" at -0.34,138.65 h1
  text "PTH" at 11.637,138.65 h1
  text "Round" at 20.015,138.65 h1
  text "Top Side - Bottom Side" at 32.191,138.65 h1
  text "Pad" at 63.482,138.65 h1
  text "(Mixed)" at 73.259,138.65 h1
  text "2" at -10.137,136.15 h1
  text "2,250mm" at -0.34,136.15 h1
  text "PTH" at 11.637,136.15 h1
  text "Round" at 20.015,136.15 h1
  text "Top Side - Bottom Side" at 32.191,136.15 h1
  text "Pad" at 63.482,136.15 h1
  text "Rounded" at 73.259,136.15 h1
  text "4" at -10.137,133.65 h1
  text "3,200mm" at -0.34,133.65 h1
  text "PTH" at 11.637,133.65 h1
  text "Round" at 20.015,133.65 h1
  text "Top Side - Bottom Side" at 32.191,133.65 h1
  text "Pad" at 63.482,133.65 h1
  text "Rounded" at 73.259,133.65 h1
  text "125 Total" at -10.137,131.15 h1

## Text inside footprints (layer, text, board x,y; h text height)
S1: Top Assembly "ams logo" at 18,19.552 h0.15